# Altium PCB pcb.PcbDoc
Units mm, origin at the board's own origin, x right, y up, seen from the top; angles counter-clockwise.
Board outline 98.65 x 100.19 mm, 2 copper layers (Top Layer, Bottom Layer); 39 components, 64 nets, 446 pads, 0 vias.
Unrouted connection lines stored in the file: 233.
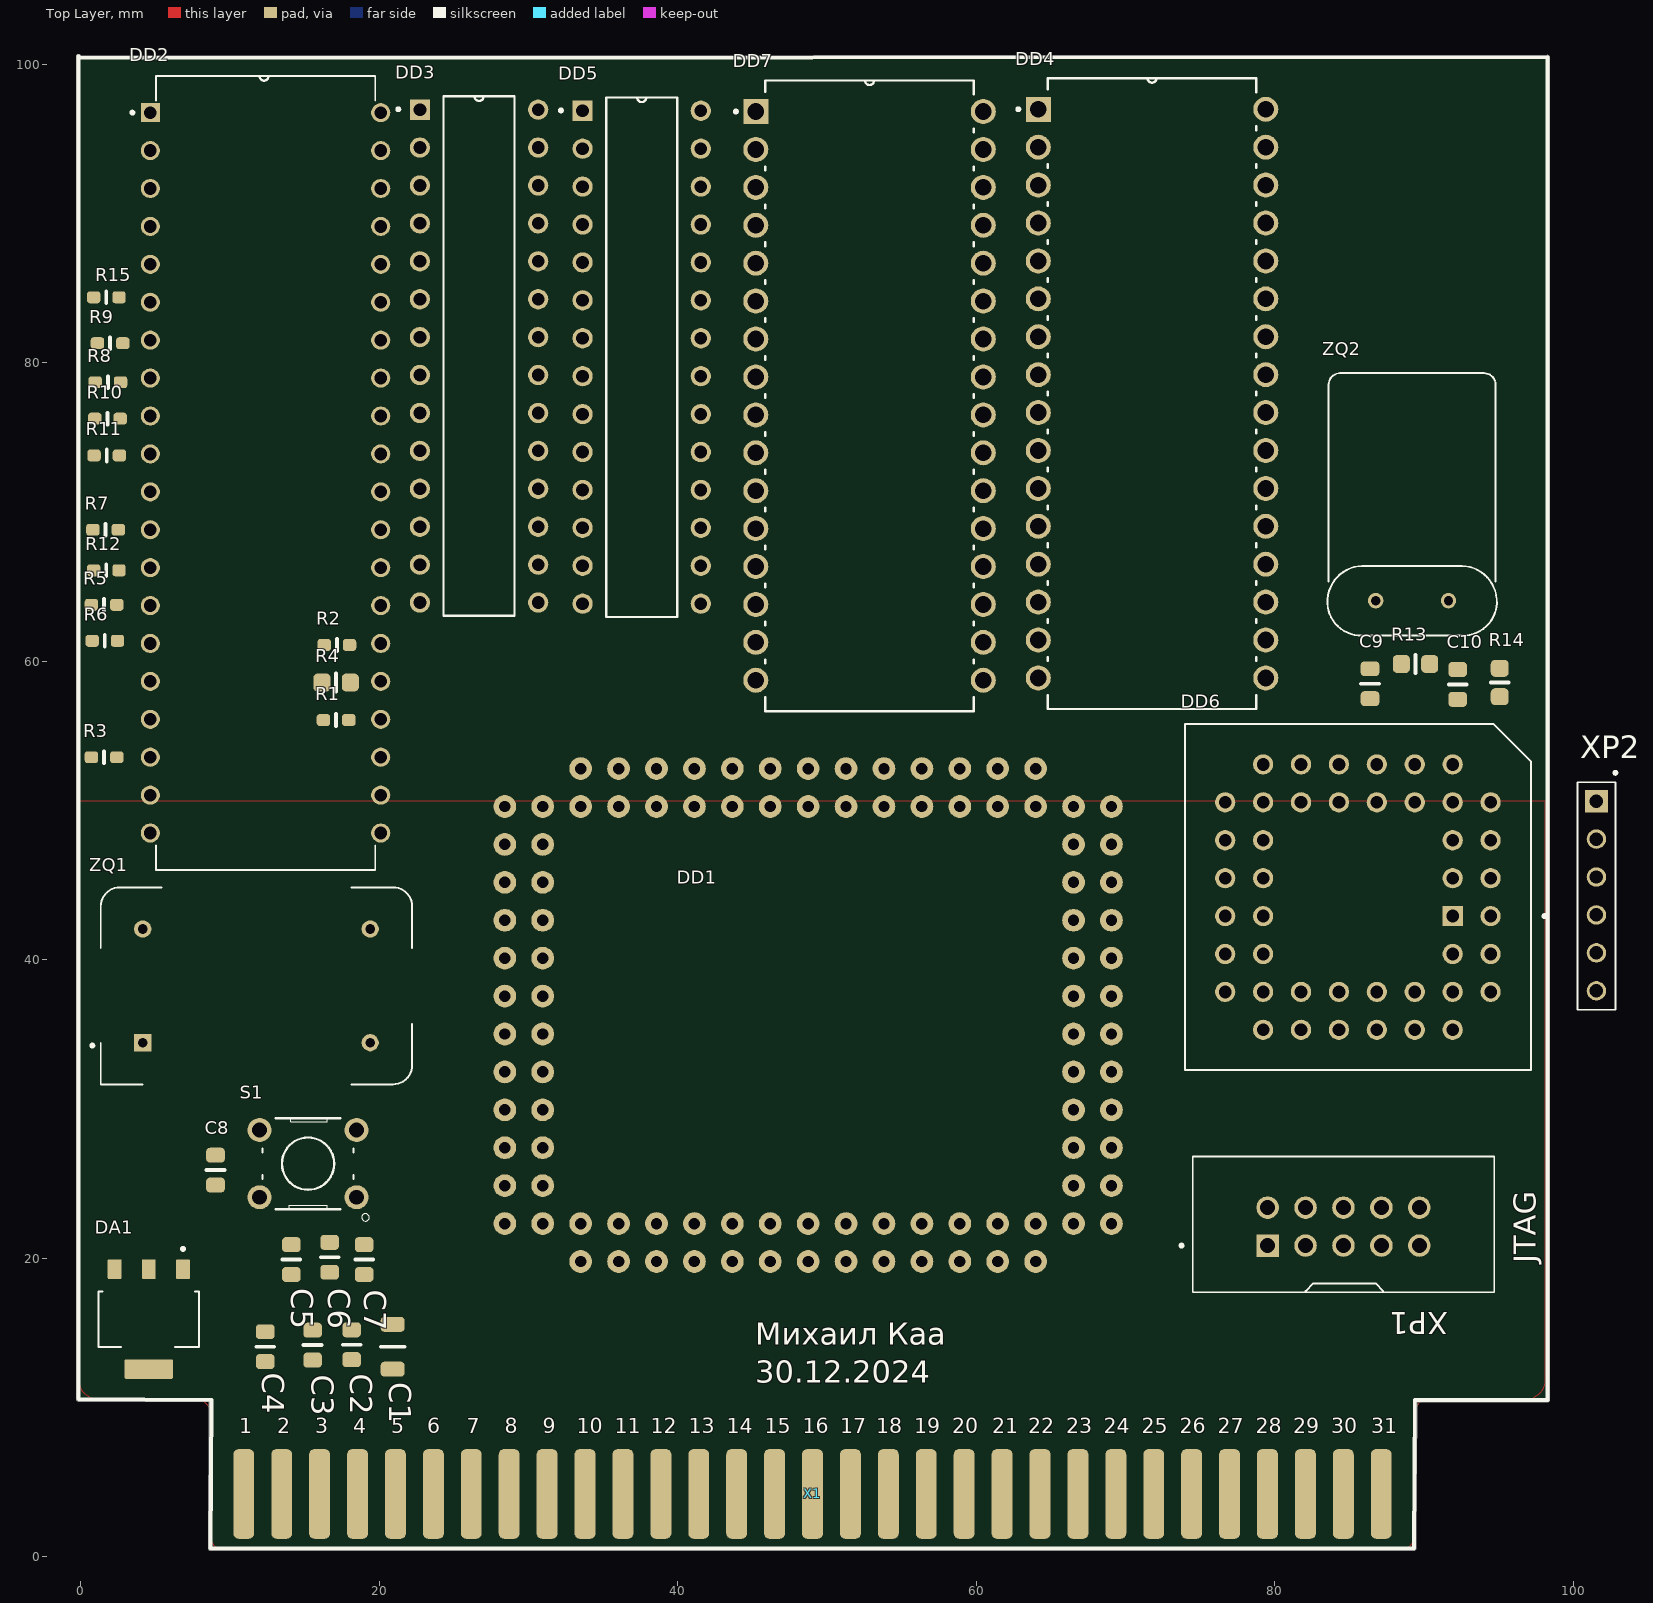
[diagram p0: Top Layer view]
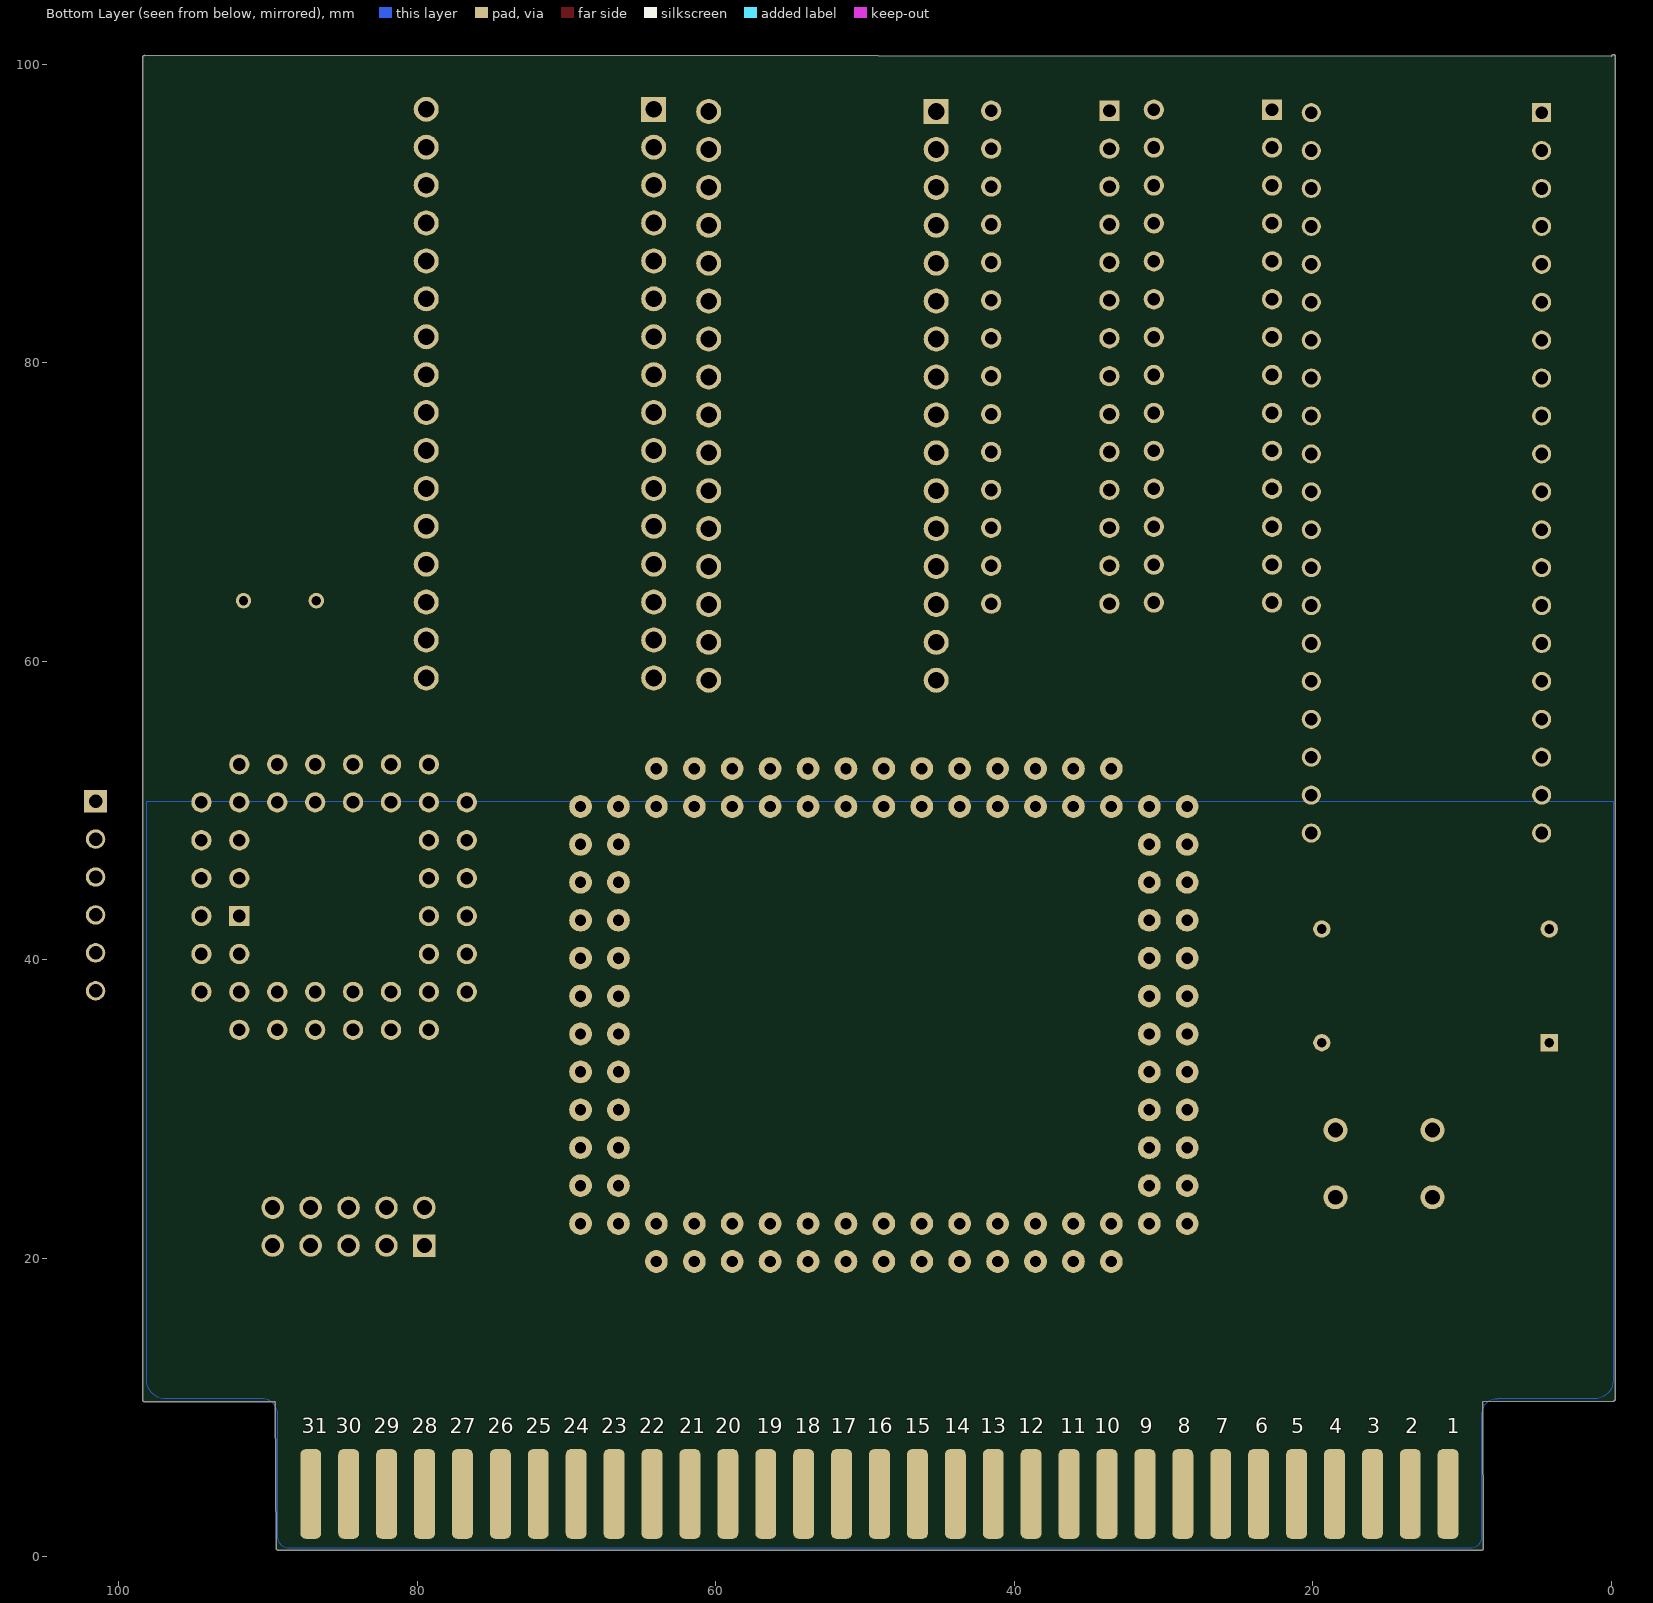
[diagram p1: Bottom Layer view, seen from below]

## Layer stack, top to bottom
Top Solder: solder mask 0.0102, Solder Resist, Dk 3.5
Top Layer: signal copper 0.0356
Dielectric 1: dielectric 0.32, FR-4, Dk 4.8
Bottom Layer: signal copper 0.0356
Bottom Solder: solder mask 0.0102, Solder Resist, Dk 3.5

## Board outline
8.585,0.576 8.635,10.389 -0.128,10.439 cw(c-0.127,10.566) -0.253,10.546 cw(c-0.134,10.592) -0.261,10.592 -0.261,100.508 cw(c-0.134,100.508) -0.009,100.534 98.266,100.584 cw(c98.266,100.457) 98.393,100.457 98.393,10.541 cw(c98.266,10.541) 98.393,10.529 98.393,10.528 cw(c98.266,10.516) 98.393,10.516 cw(c98.266,10.516) 98.266,10.389 89.503,10.388 89.452,0.575 cw(c89.325,0.575) 89.325,0.448 8.712,0.448 cw(c8.712,0.575)

## Design rules (kind name [scope] priority, off if disabled: settings)
Clearance [All] p1: gap=0.254 ignorepadtopadclearanceinfootprint=FALSE except(0: Arc-Hole Track-Hole SMDPad-Hole THPad-Hole Via-Hole Fill-Hole Poly-Hole Region-Hole Text-Hole; 0.2: Arc-Arc Arc-Track Arc-SMDPad Track-Track Track-SMDPad SMDPad-SMDPad THPad-THPad)
PolygonConnect [All] p1: connectstyle=Relief reliefconductorwidth=0.254 reliefentries=4 polygonreliefangle="90 Angle" airgapwidth=0.254
RoomDefinition main [InComponentClass('main')] p1: confinementstyle=ConfineIn formatcopy=TRUE lockcomponents=FALSE outline 0,0 99.06,0 99.06,101.676 0,101.676
RoutingVias [All] p1: holewidth=0.2 width=0.4 viastyle="Through Hole" minholewidth=0.2 minwidth=0.4 maxholewidth=0.2 maxwidth=0.4
SolderMaskExpansion [All] p1: expansion=0.102
Width [All] p1: maxlimit=0.6 minlimit=0.2 preferedwidth=0.254 minimp=50.000000 maximp=50.000000 favimp=50.000000
30 further rules are at their usual default settings.

## Components (designator, comment, footprint, x,y, rotation, side; value= is the part's Value field where it differs from the comment)
C1 "22uF" С1206 20.904,14.072 r90 top
C2 "10uF" C0805 18.161,14.208 r90 top
C3 "10uF" C0805 15.545,14.183 r90 top
C4 "10uF" C0805 12.37,14.081 r90 top
C5 "10uF" C0805 14.122,19.914 r90 top
C6 "10uF" C0805 16.688,20.066 r90 top
C7 "10uF" C0805 18.999,19.914 r90 top
C8 "10uF" C0805 9.042,25.908 r90 top
C9 "30пФ" C0805 86.385,58.496 r90 top
C10 "50пФ" C0805 92.253,58.445 r90 top
DA1 "AMS1117-3.3" SOT229P700X180-4N 4.572,15.926 r270 top
DD1 "EPM3128ATC100-10N" tqfp100_on_proto_board 48.743,36.297 r90 top
DD2 "Z80" DIP1540W47P254L5320H635Q40B 12.391,72.619 r0 top
DD3 "W24257AK-15" DIP28_300mil_socket 26.695,80.442 r0 top
DD4 "AM29F040B" DIP254P1524X482-32 79.4,58.877 r0 top
DD5 "W24257AK-15" DIP28_300mil_socket 37.592,80.366 r0 top
DD6 "TL16C550CFN" PLCC-44-R 85.573,44.196 r270 top
DD7 "HM628512ALP-7" DIP254P1524X482-32 60.477,58.725 r0 top
R1 "4.7K" R0603 17.12,56.058 r180 top
R2 "4.7K" R0603 17.17,61.087 r180 top
R3 "4.7K" R0603 1.575,53.569 r180 top
R4 "4.7K" R0805 17.12,58.572 r180 top
R5 "4.7K" R0603 1.575,63.779 r180 top
R6 "4.7K" R0603 1.626,61.366 r180 top
R7 "4.7K" R0603 1.676,68.809 r180 top
R8 "4.7K" R0603 1.829,78.689 r180 top
R9 "4.7K" R0603 1.981,81.305 r180 top
R10 "4.7K" R0603 1.803,76.251 r180 top
R11 "4.7K" R0603 1.753,73.787 r180 top
R12 "4.7K" R0603 1.727,66.091 r180 top
R13 "1M" R0805 89.433,59.817 r0 top
R14 "1.5K" R0805 95.072,58.572 r270 top
R15 "470" R0603 1.727,84.379 r0 top
S1 "B3F-1000" SW_B3F-1000 15.24,26.34 r180 top
X1 "Bus_pcb" BUS 49,4.211 r0 top locked
XP1 "BH-10" BH-10 84.607,22.123 r0 top
XP2 "PLS-6" 6pin 101.549,44.272 r270 top
ZQ1 "24MHz" OSC_ECS-100A-240 11.786,38.252 r0 top
ZQ2 "1.8432 MHz" XTAL_HC-49U 89.203,64.059 r0 top

## Footprints (in the part's own frame and the unit in brackets; to place one, negate y for a bottom-side part, rotate by r counter-clockwise, add the part's x,y. Pads: shape width x height; smd on the part's side, far side on the other; paste and mask are expansions set on the pad)
6pin [mm]
  rect 1.524x1.524 hole 0.9: 1(-6.35,0)
  round 1.3 hole 0.9: 2(-3.81,0) 3(-1.27,0) 4(1.27,0) 5(3.81,0) 6(6.35,0)
  silkscreen extent -8.35,-1.27 7.62,1.37
BH-10 [mm]
  rect 1.508x1.508 / inner round 1.508 / far side rect 1.508x1.508 hole 1: 1(-5.08,-1.27)
  round 1.508 hole 1: 2(-5.08,1.27) 3(-2.54,-1.27) 4(-2.54,1.27) 5(0,-1.27) 6(0,1.27) 7(2.54,-1.27) 8(2.54,1.27) 9(5.08,-1.27) 10(5.08,1.27)
  silkscreen extent -10.95,-4.4 10.1,4.7, body extent -10.1,-4.39 10.1,4.7, height 9.09
BUS [mm]
  rrect50% 1.4x6 smd: 1(-38.065,0) 2(-35.525,0) 3(-32.985,0) 4(-30.445,0) 5(-27.905,0) 6(-25.365,0) 7(-22.825,0) 8(-20.285,0) 9(-17.745,0) 10(-15.205,0) 11(-12.665,0) 12(-10.125,0) 13(-7.585,0) 14(-5.045,0) 15(-2.505,0) 16(0.035,0) 17(2.575,0) 18(5.115,0) 19(7.655,0) 20(10.195,0) 21(12.735,0) 22(15.275,0) 23(17.815,0) 24(20.355,0) 25(22.895,0) 26(25.435,0) 27(27.975,0) 28(30.515,0) 29(33.055,0) 30(35.595,0) 31(38.135,0)
  rrect50% 1.4x6 smd far side: 32(-38.06,0) 33(-35.525,0) 34(-32.985,0) 35(-30.445,0) 36(-27.905,0) 37(-25.365,0) 38(-22.825,0) 39(-20.285,0) 40(-17.745,0) 41(-15.205,0) 42(-12.665,0) 43(-10.125,0) 44(-7.585,0) 45(-5.045,0) 46(-2.505,0) 47(0.035,0) 48(2.575,0) 49(5.115,0) 50(7.655,0) 51(10.195,0) 52(12.735,0) 53(15.275,0) 54(17.815,0) 55(20.355,0) 56(22.895,0) 57(25.435,0) 58(27.975,0) 59(30.515,0) 60(33.055,0) 61(35.595,0) 62(38.135,0)
C0805 [mm] "Chip_Capasitor_0805"
  rrect50% 1x1.25 smd mask+0.102: 1(-1,0) 2(1,0)
  silkscreen extent 0,-0.6 0,0.6, body extent -1,-0.65 1,0.65, height 1.35
DIP28_300mil_socket [mm]
  rect 1.358x1.358 hole 0.85: 1(-3.96,16.51)
  round 1.358 hole 0.85: 2(-3.96,13.97) 3(-3.96,11.43) 4(-3.96,8.89) 5(-3.96,6.35) 6(-3.96,3.81) 7(-3.96,1.27) 8(-3.96,-1.27) 9(-3.96,-3.81) 10(-3.96,-6.35) 11(-3.96,-8.89) 12(-3.96,-11.43) 13(-3.96,-13.97) 14(-3.96,-16.51) 15(3.96,-16.51) 16(3.96,-13.97) 17(3.96,-11.43) 18(3.96,-8.89) 19(3.96,-6.35) 20(3.96,-3.81) 21(3.96,-1.27) 22(3.96,1.27) 23(3.96,3.81) 24(3.96,6.35) 25(3.96,8.89) 26(3.96,11.43) 27(3.96,13.97) 28(3.96,16.51)
  silkscreen extent -5.51,-17.4 2.38,17.4, body extent -5.05,-17.85 5.05,17.65, height 9.07
DIP254P1524X482-32 [mil]
  rect 66x66 hole 44: 1(-600,1500)
  round 66 hole 44: 2(-600,1400) 3(-600,1300) 4(-600,1200) 5(-600,1100) 6(-600,1000) 7(-600,900) 8(-600,800) 9(-600,700) 10(-600,600) 11(-600,500) 12(-600,400) 13(-600,300) 14(-600,200) 15(-600,100) 16(-600,0) 17(0,0) 18(0,100) 19(0,200) 20(0,300) 21(0,400) 22(0,500) 23(0,600) 24(0,700) 25(0,800) 26(0,900) 27(0,1000) 28(0,1100) 29(0,1200) 30(0,1300) 31(0,1400) 32(0,1500)
  silkscreen extent -657,-82 -25,1582, body extent -645,-49 49,1549, height 377
DIP1540W47P254L5320H635Q40B [mm]
  rect 1.28x1.28 hole 0.85: 1(-7.718,24.13)
  round 1.28 hole 0.85: 2(-7.718,21.59) 3(-7.718,19.05) 4(-7.718,16.51) 5(-7.718,13.97) 6(-7.718,11.43) 7(-7.718,8.89) 8(-7.718,6.35) 9(-7.718,3.81) 10(-7.718,1.27) 11(-7.718,-1.27) 12(-7.718,-3.81) 13(-7.718,-6.35) 14(-7.718,-8.89) 15(-7.718,-11.43) 16(-7.718,-13.97) 17(-7.718,-16.51) 18(-7.718,-19.05) 19(-7.718,-21.59) 20(-7.718,-24.13) 21(7.718,-24.13) 22(7.718,-21.59) 23(7.718,-19.05) 24(7.718,-16.51) 25(7.718,-13.97) 26(7.718,-11.43) 27(7.718,-8.89) 28(7.718,-6.35) 29(7.718,-3.81) 30(7.718,-1.27) 31(7.718,1.27) 32(7.718,3.81) 33(7.718,6.35) 34(7.718,8.89) 35(7.718,11.43) 36(7.718,13.97) 37(7.718,16.51) 38(7.718,19.05) 39(7.718,21.59) 40(7.718,24.13)
  silkscreen extent -9.02,-26.6 7.35,26.6, body extent -8.85,-26.2 8.85,26.2, height 9.06
OSC_ECS-100A-240 [mm]
  rect 1.158x1.158 hole 0.65: 1(-7.62,-3.81)
  round 1.158 hole 0.65: 7(7.62,-3.81) 8(7.62,3.81) 14(-7.62,3.81)
  silkscreen extent -11.1,-6.6 10.43,6.6, body extent -10.38,-6.6 10.48,6.6, height 7.35
PLCC-44-R [mm]
  rect 1.358x1.358 hole 0.85: 1(1.27,6.35)
  round 1.358 hole 0.85: 2(-1.27,8.89) 3(-1.27,6.35) 4(-3.81,8.89) 5(-3.81,6.35) 6(-6.35,8.89) 7(-8.89,6.35) 8(-6.35,6.35) 9(-8.89,3.81) 10(-6.35,3.81) 11(-8.89,1.27) 12(-6.35,1.27) 13(-8.89,-1.27) 14(-6.35,-1.27) 15(-8.89,-3.81) 16(-6.35,-3.81) 17(-8.89,-6.35) 18(-6.35,-8.89) 19(-6.35,-6.35) 20(-3.81,-8.89) 21(-3.81,-6.35) 22(-1.27,-8.89) 23(-1.27,-6.35) 24(1.27,-8.89) 25(1.27,-6.35) 26(3.81,-8.89) 27(3.81,-6.35) 28(6.35,-8.89) 29(8.89,-6.35) 30(6.35,-6.35) 31(8.89,-3.81) 32(6.35,-3.81) 33(8.89,-1.27) 34(6.35,-1.27) 35(8.89,1.27) 36(6.35,1.27) 37(8.89,3.81) 38(6.35,3.81) 39(8.89,6.35) 40(6.35,8.89) 41(6.35,6.35) 42(3.81,8.89) 43(3.81,6.35) 44(1.27,8.89)
  silkscreen extent -11.59,-11.59 11.59,12.6, body extent -11.74,-11.74 11.74,11.74, height 8.31
R0603 [mm] "Chip_Resistor_0603"
  rrect50% 0.9x0.8 smd mask+0.1: 1(-0.85,0) 2(0.85,0)
  silkscreen extent 0,-0.4 0,0.4, body extent -0.8,-0.4 0.8,0.4, height 0.45
R0805 [mm] "Chip_Resistor_0805"
  rrect50% 1.14x1.2 smd mask+0.1: 1(-0.95,0) 2(0.95,0)
  silkscreen extent 0,-0.6 0,0.6, body extent -1.07,-0.67 1.23,0.68, height 0.76
SOT229P700X180-4N [mm]
  rrect15% 1.31x0.93 smd: 1(-3.345,2.29) 2(-3.345,0) 3(-3.345,-2.29)
  rrect15% 1.31x3.24 smd: 4(3.345,0)
  silkscreen extent -4.8,-3.36 1.86,3.36, body extent -3.5,-3.25 3.5,3.25, height 1.8
SW_B3F-1000 [mm]
  round 1.6 hole 1: 1(-3.25,2.25) 2(3.25,2.25) 3(-3.25,-2.25) 4(3.25,-2.25)
  silkscreen extent -4.1,-3.05 3.05,3.85, body extent -3.85,-3 3.85,3, height 4.3
tqfp100_on_proto_board [mil]
  round 60 hole 30: 1(-650,600) 2(-550,600) 3(-650,500) 4(-550,500) 5(-650,400) 6(-550,400) 7(-650,300) 8(-550,300) 9(-650,200) 10(-550,200) 11(-650,100) 12(-550,100) 13(-650,0) 14(-550,0) 15(-650,-100) 16(-550,-100) 17(-650,-200) 18(-550,-200) 19(-650,-300) 20(-550,-300) 21(-650,-400) 22(-550,-400) 23(-650,-500) 24(-550,-500) 25(-650,-600) 26(-550,-600) 27(-550,-800) 28(-550,-700) 29(-450,-800) 30(-450,-700) 31(-350,-800) 32(-350,-700) 33(-250,-800) 34(-250,-700) 35(-150,-800) 36(-150,-700) 37(-50,-800) 38(-50,-700) 39(50,-800) 40(50,-700) 41(150,-800) 42(150,-700) 43(250,-800) 44(250,-700) 45(350,-800) 46(350,-700) 47(450,-800) 48(450,-700) 49(550,-800) 50(550,-700) 51(650,-600) 52(550,-600) 53(650,-500) 54(550,-500) 55(650,-400) 56(550,-400) 57(650,-300) 58(550,-300) 59(650,-200) 60(550,-200) 61(650,-100) 62(550,-100) 63(650,0) 64(550,0) 65(650,100) 66(550,100) 67(650,200) 68(550,200) 69(650,300) 70(550,300) 71(650,400) 72(550,400) 73(650,500) 74(550,500) 75(650,600) 76(550,600) 77(550,800) 78(550,700) 79(450,800) 80(450,700) 81(350,800) 82(350,700) 83(250,800) 84(250,700) 85(150,800) 86(150,700) 87(50,800) 88(50,700) 89(-50,800) 90(-50,700) 91(-150,800) 92(-150,700) 93(-250,800) 94(-250,700) 95(-350,800) 96(-350,700) 97(-450,800) 98(-450,700) 99(-550,800) 100(-550,700)
  body extent -750,-900 750,925, height 89
XTAL_HC-49U [mm]
  round 1.03 hole 0.63: 1(-2.44,0) 2(2.44,0)
  silkscreen extent -5.68,-2.33 5.68,15.24, body extent -5.51,-2.5 5.84,2.5, height 14.22
С1206 [mm] "Chip_Capasitor_1206"
  rrect50% 1x1.6 smd mask+0.102: 1(-1.5,0) 2(1.5,0)
  silkscreen extent 0,-0.8 0,0.8, body extent -1.6,-0.81 1.6,0.81, height 1.11

## Part data
C1 C2 C3 C4 C5 C6 C7 C8 C9 C10: library part CapCer
DD1: "100-Pin QFP", Package=None, Availability=Unavailable, MP=EPM3128ATC100-10N, Price=None
DD3 DD5: "32Kx8 Fast Static RAM"
DD6: "ASYNCHRONOUS COMMUNICATIONS ELEMENT", Package=None, Availability=Unavailable, MP=TL16C550CFN, Price=None
DD7: "512Kx8 Static RAM"
R1 R2 R3 R4 R5 R6 R7 R8 R9 R10 R11 R12 R13 R14 R15: library part Res
XP1: "10 Position Total Dual Row 2.54 mm Pitch Straight Male Shrouded Box Header", Package=None, Check_prices=https://www.snapeda.com/parts/SBH11-PBPC-D05-ST-BK/Sullins+Connector+Solutions/view-part/?ref=eda, MF="Sullins Connector", MP=SBH11-PBPC-D05-ST-BK, SnapEDA_Link=https://www.snapeda.com/parts/SBH11-PBPC-D05-ST-BK/Sullins+Connector+Solutions/view-part/?ref=snap
ZQ1: library part ECS-100A-240, "Oscillator  14-DIP, 4 Leads (Full Size, Metal Can)", Package=None, Availability=Unavailable, MP=ECS-100A-240, Price=None
ZQ2: library part HC-49U_1.8432
S1: ChipDip PN=8001787102, Platan PN=2011347247

## Nets (pads, with @x,y where several pads share a name; then routed paths per layer and width w, separated by ;. In a path a pad name is that pad's centre, name@x,y a point inside that pad or via, vN(x,y) a via of type N, cw(c..) or ccw(c..) an arc to the next point about the centre after c; other vN are vias at no path point)
24MHz: DD1.87 ZQ1.8
+3.3V: C5.1 C6.1 C7.1 DA1.2 DA1.4 DD1.3 DD1.18 DD1.34 DD1.39 DD1.51 DD1.66 DD1.82 DD1.91 XP1.4
+5V: C1.1 C2.1 C3.1 C4.1 DA1.3 DD2.11 DD3.28 DD4.32 DD5.28 DD6.14 DD6.15 DD6.44 DD7.32 R1.2 R2.2 R3.2 R4.2 R5.2 R6.2 R7.2 R8.2 R9.2 R10.2 R11.2 R12.2 R15.1 XP2.1 ZQ1.14
A00: DD1.61 DD2.30 DD3.10 DD4.12 DD5.10 DD7.12
A01: DD1.60 DD2.31 DD3.9 DD4.11 DD5.9 DD7.11
A02: DD1.58 DD2.32 DD3.8 DD4.10 DD5.8 DD7.10
A03: DD1.57 DD2.33 DD3.7 DD4.9 DD5.7 DD7.9
A04: DD1.56 DD2.34 DD3.6 DD4.8 DD5.6 DD7.8
A05: DD1.55 DD2.35 DD3.5 DD4.7 DD5.5 DD7.7
A06: DD1.54 DD2.36 DD3.4 DD4.6 DD5.4 DD7.6
A07: DD1.52 DD2.37 DD3.3 DD4.5 DD5.3 DD7.5
A08: DD1.50 DD2.38 DD3.25 DD4.27 DD5.25 DD6.31 DD7.27
A09: DD1.49 DD2.39 DD3.24 DD4.26 DD5.24 DD6.30 DD7.26
A10: DD1.48 DD2.40 DD3.21 DD4.23 DD5.21 DD6.29 DD7.23
A11: DD1.47 DD2.1 DD3.23 DD4.25 DD5.23 DD7.25
A12: DD1.46 DD2.2 DD3.2 DD4.4 DD5.2 DD7.4
A13: DD1.45 DD2.3 DD3.26 DD4.28 DD5.26 DD7.28
A14: DD1.44 DD2.4
A15: DD1.42 DD2.5
BSRQ: DD2.25 R4.1
CLK: DD1.79 DD2.6 R15.2
CTS: DD6.40 XP2.6
D0: DD1.72 DD2.14 DD3.11 DD4.13 DD5.11 DD6.2 DD7.13 R5.1
D1: DD1.71 DD2.15 DD3.12 DD4.14 DD5.12 DD6.3 DD7.14 R6.1
D2: DD1.70 DD2.12 DD3.13 DD4.15 DD5.13 DD6.4 DD7.15 R7.1
D3: DD1.69 DD2.8 DD3.15 DD4.17 DD5.15 DD6.5 DD7.17 R8.1
D4: DD1.68 DD2.7 DD3.16 DD4.18 DD5.16 DD6.6 DD7.18 R9.1
D5: DD1.67 DD2.9 DD3.17 DD4.19 DD5.17 DD6.7 DD7.19 R10.1
D6: DD1.64 DD2.10 DD3.18 DD4.20 DD5.18 DD6.8 DD7.20 R11.1
D7: DD1.63 DD2.13 DD3.19 DD4.21 DD5.19 DD6.9 DD7.21 R12.1
GND: C1.2 C2.2 C3.2 C4.2 C5.2 C6.2 C7.2 C8.2 C9.1 C10.1 DA1.1 DD1.11 DD1.26 DD1.33 DD1.38 DD1.43 DD1.53 DD1.59 DD1.65 DD1.74 DD1.78 DD1.86 DD1.95 DD2.29 DD3.14 DD4.16 DD5.14 DD6.20 DD6.22 DD6.25 DD6.28 DD7.16 S1.4 XP1.2 XP1.10 XP2.2 ZQ1.7
HALT: DD2.18 R3.1
INT: DD1.81 DD2.16
IORQ: DD1.85 DD2.20
M1: DD1.80 DD2.27
M_A14: DD1.36 DD3.1 DD4.29 DD5.1 DD7.3
M_A15: DD1.35 DD4.3 DD7.31
M_A16: DD1.32 DD4.2 DD7.2
M_A17: DD1.31 DD4.30 DD7.30
M_A18: DD1.30 DD4.1 DD7.1
MREQ: DD1.84 DD2.19
NetC10_2: C10.2 R13.2 R14.1 ZQ2.2
NetDD6_10: DD6.10 DD6.17
NMI: DD1.83 DD2.17
RAM0_CE: DD1.76 DD3.20
RAM1_CE: DD1.75 DD5.20
RAM2_CE: DD1.77 DD7.22
RD: DD1.90 DD2.21 DD3.22 DD4.24 DD5.22 DD6.24 DD7.24
RES: C8.1 DD1.89 DD2.26 DD6.39 R2.1 S1.1
ROM_CE: DD1.37 DD4.22
RTS: DD6.36 XP2.5
RX: DD6.11 XP2.4
TCK: DD1.62 XP1.1
TDI: DD1.4 XP1.9
TDO: DD1.73 XP1.3
TMS: DD1.15 XP1.5
TX: DD6.13 XP2.3
U_CLK: DD1.29
U_CS: DD1.28 DD6.16
U_INT: DD1.27 DD6.33
WAIT: DD2.24 R1.1
WR: DD1.88 DD2.22 DD3.27 DD4.31 DD5.27 DD6.21 DD7.29
XIN: C9.2 DD6.18 R13.1 ZQ2.1
XOUT: DD6.19 R14.2
pads on no net: DD1.1 DD1.2 DD1.5 DD1.6 DD1.7 DD1.8 DD1.9 DD1.10 DD1.12 DD1.13 DD1.14 DD1.16 DD1.17 DD1.19 DD1.20 DD1.21 DD1.22 DD1.23 DD1.24 DD1.25 DD1.40 DD1.41 DD1.92 DD1.93 DD1.94 DD1.96 DD1.97 DD1.98 DD1.99 DD1.100 DD2.23 DD2.28 DD6.1 DD6.12 DD6.23 DD6.26 DD6.27 DD6.32 DD6.34 DD6.35 DD6.37 DD6.38 DD6.41 DD6.42 DD6.43 S1.2 S1.3 X1.1 X1.2 X1.3 X1.4 X1.5 X1.6 X1.7 X1.8 X1.9 X1.10 X1.11 X1.12 X1.13 X1.14 X1.15 X1.16 X1.17 X1.18 X1.19 X1.20 X1.21 X1.22 X1.23 X1.24 X1.25 X1.26 X1.27 X1.28 X1.29 X1.30 X1.31 X1.32 X1.33 X1.34 X1.35 X1.36 X1.37 X1.38 X1.39 X1.40 X1.41 X1.42 X1.43 X1.44 X1.45 X1.46 X1.47 X1.48 X1.49 X1.50 X1.51 X1.52 X1.53 X1.54 X1.55 X1.56 X1.57 X1.58 X1.59 X1.60 X1.61 X1.62 XP1.6 XP1.7 XP1.8 ZQ1.1

## Polygon pours and split planes (outlines as drawn)
GND on Bottom Layer "NONET_L02_P003" (solid, remove dead copper, shelved, pour order 3): 7.629,10.584 ccw(c7.681,10.7) 7.681,10.573 cw(c7.681,9.543) 8.711,9.543 ccw(c8.839,9.543) 8.713,9.525 8.713,1.384 ccw(c8.84,1.384) 8.718,1.346 ccw(c8.839,1.308) 8.713,1.308 ccw(c9.446,1.308) 9.446,0.574 ccw(c9.446,0.701) 9.485,0.58 88.646,0.58 ccw(c88.646,0.707) 88.695,0.59 ccw(c88.608,1.318) 89.341,1.283 ccw(c89.231,1.346) 89.358,1.346 89.358,9.652 cw(c90.386,9.553) 90.309,10.584 96.843,10.584 ccw(c96.843,11.869) 98.127,11.869 98.127,50.622 -0.127,50.622 -0.127,11.85 ccw(c-0.01,11.849) -0.125,11.824 ccw(c1.159,11.869) 1.129,10.584
GND on Top Layer "NONET_L01_P004" (solid, remove dead copper, shelved, pour order 4): 7.629,10.584 ccw(c7.681,10.7) 7.681,10.573 cw(c7.681,9.543) 8.711,9.543 ccw(c8.839,9.543) 8.713,9.525 8.713,1.384 ccw(c8.84,1.384) 8.718,1.346 ccw(c8.84,1.308) 8.713,1.308 ccw(c9.446,1.308) 9.446,0.574 ccw(c9.446,0.701) 9.485,0.58 88.646,0.58 ccw(c88.646,0.707) 88.695,0.59 ccw(c88.608,1.318) 89.341,1.283 ccw(c89.231,1.346) 89.358,1.346 89.358,9.652 cw(c90.386,9.553) 90.309,10.584 96.843,10.584 ccw(c96.843,11.869) 98.127,11.869 98.127,50.622 -0.127,50.622 -0.127,11.85 ccw(c-0.009,11.849) -0.125,11.824 ccw(c1.159,11.869) 1.129,10.584

## Silkscreen, mask and mechanical layers (free items; w line width, h text height)
Top Overlay:
  lines w0.254: -0.134,10.592 -0.134,100.508 ; -0.127,10.566 8.763,10.516 8.712,0.575 89.325,0.575 89.376,10.516 98.266,10.516 ; -0.127,100.406 98.266,100.457 98.266,10.541
  text "JTAG" at 97.993,19.66 h2.54 r90
  text "Михаил Каа / 30.12.2024" at 45.212,11.151 h2.54

## Text inside footprints (layer, text, board x,y; h text height)
X1: Top Overlay "1" at 10.646,8.275 h1; Top Overlay "2" at 13.186,8.275 h1; Top Overlay "4" at 18.266,8.275 h1; Top Overlay "3" at 15.726,8.275 h1; Top Overlay "7" at 25.886,8.275 h1; Top Overlay "8" at 28.426,8.275 h1; Top Overlay "6" at 23.219,8.275 h1; Top Overlay "5" at 20.806,8.275 h1; Top Overlay "13" at 40.745,8.275 h1; Top Overlay "14" at 43.285,8.275 h1; Top Overlay "16" at 48.365,8.275 h1; Top Overlay "15" at 45.825,8.275 h1; Top Overlay "11" at 35.792,8.275 h1; Top Overlay "12" at 38.205,8.275 h1; Top Overlay "10" at 33.252,8.275 h1; Top Overlay "9" at 30.966,8.275 h1; Top Overlay "25" at 71.098,8.275 h1; Top Overlay "26" at 73.638,8.275 h1; Top Overlay "28" at 78.718,8.275 h1; Top Overlay "27" at 76.178,8.275 h1; Top Overlay "31" at 86.465,8.275 h1; Top Overlay "30" at 83.798,8.275 h1; Top Overlay "29" at 81.258,8.275 h1; Top Overlay "21" at 61.065,8.275 h1; Top Overlay "22" at 63.478,8.275 h1; Top Overlay "24" at 68.558,8.275 h1; Top Overlay "23" at 66.018,8.275 h1; Top Overlay "19" at 55.858,8.275 h1; Top Overlay "20" at 58.398,8.275 h1; Top Overlay "18" at 53.318,8.275 h1; Top Overlay "17" at 50.905,8.275 h1; Bottom Overlay "1" at 11.027,8.275 h1; Bottom Overlay "2" at 13.821,8.275 h1; Bottom Overlay "5" at 21.441,8.275 h1; Bottom Overlay "6" at 23.854,8.275 h1; Bottom Overlay "9" at 31.601,8.275 h1; Bottom Overlay "18" at 54.715,8.275 h1; Bottom Overlay "3" at 16.361,8.275 h1; Bottom Overlay "4" at 18.901,8.275 h1; Bottom Overlay "8" at 29.061,8.275 h1; Bottom Overlay "7" at 26.521,8.275 h1; Bottom Overlay "10" at 34.649,8.275 h1; Bottom Overlay "11" at 36.935,8.275 h1; Bottom Overlay "15" at 47.349,8.275 h1; Bottom Overlay "14" at 44.682,8.275 h1; Bottom Overlay "13" at 42.269,8.275 h1; Bottom Overlay "17" at 52.302,8.275 h1; Bottom Overlay "16" at 49.889,8.275 h1; Bottom Overlay "20" at 60.049,8.275 h1; Bottom Overlay "21" at 62.462,8.275 h1; Bottom Overlay "23" at 67.669,8.275 h1; Bottom Overlay "24" at 70.209,8.275 h1; Bottom Overlay "27" at 77.829,8.275 h1; Bottom Overlay "26" at 75.289,8.275 h1; Bottom Overlay "29" at 82.909,8.275 h1; Bottom Overlay "30" at 85.449,8.275 h1; Bottom Overlay "31" at 87.735,8.275 h1; Bottom Overlay "12" at 39.729,8.275 h1; Bottom Overlay "19" at 57.255,8.275 h1; Bottom Overlay "22" at 65.129,8.275 h1; Bottom Overlay "28" at 80.369,8.275 h1; Bottom Overlay "25" at 72.749,8.275 h1